# Altium PCB OBC Development Board.PcbDoc (part 1 of 3) (continued)
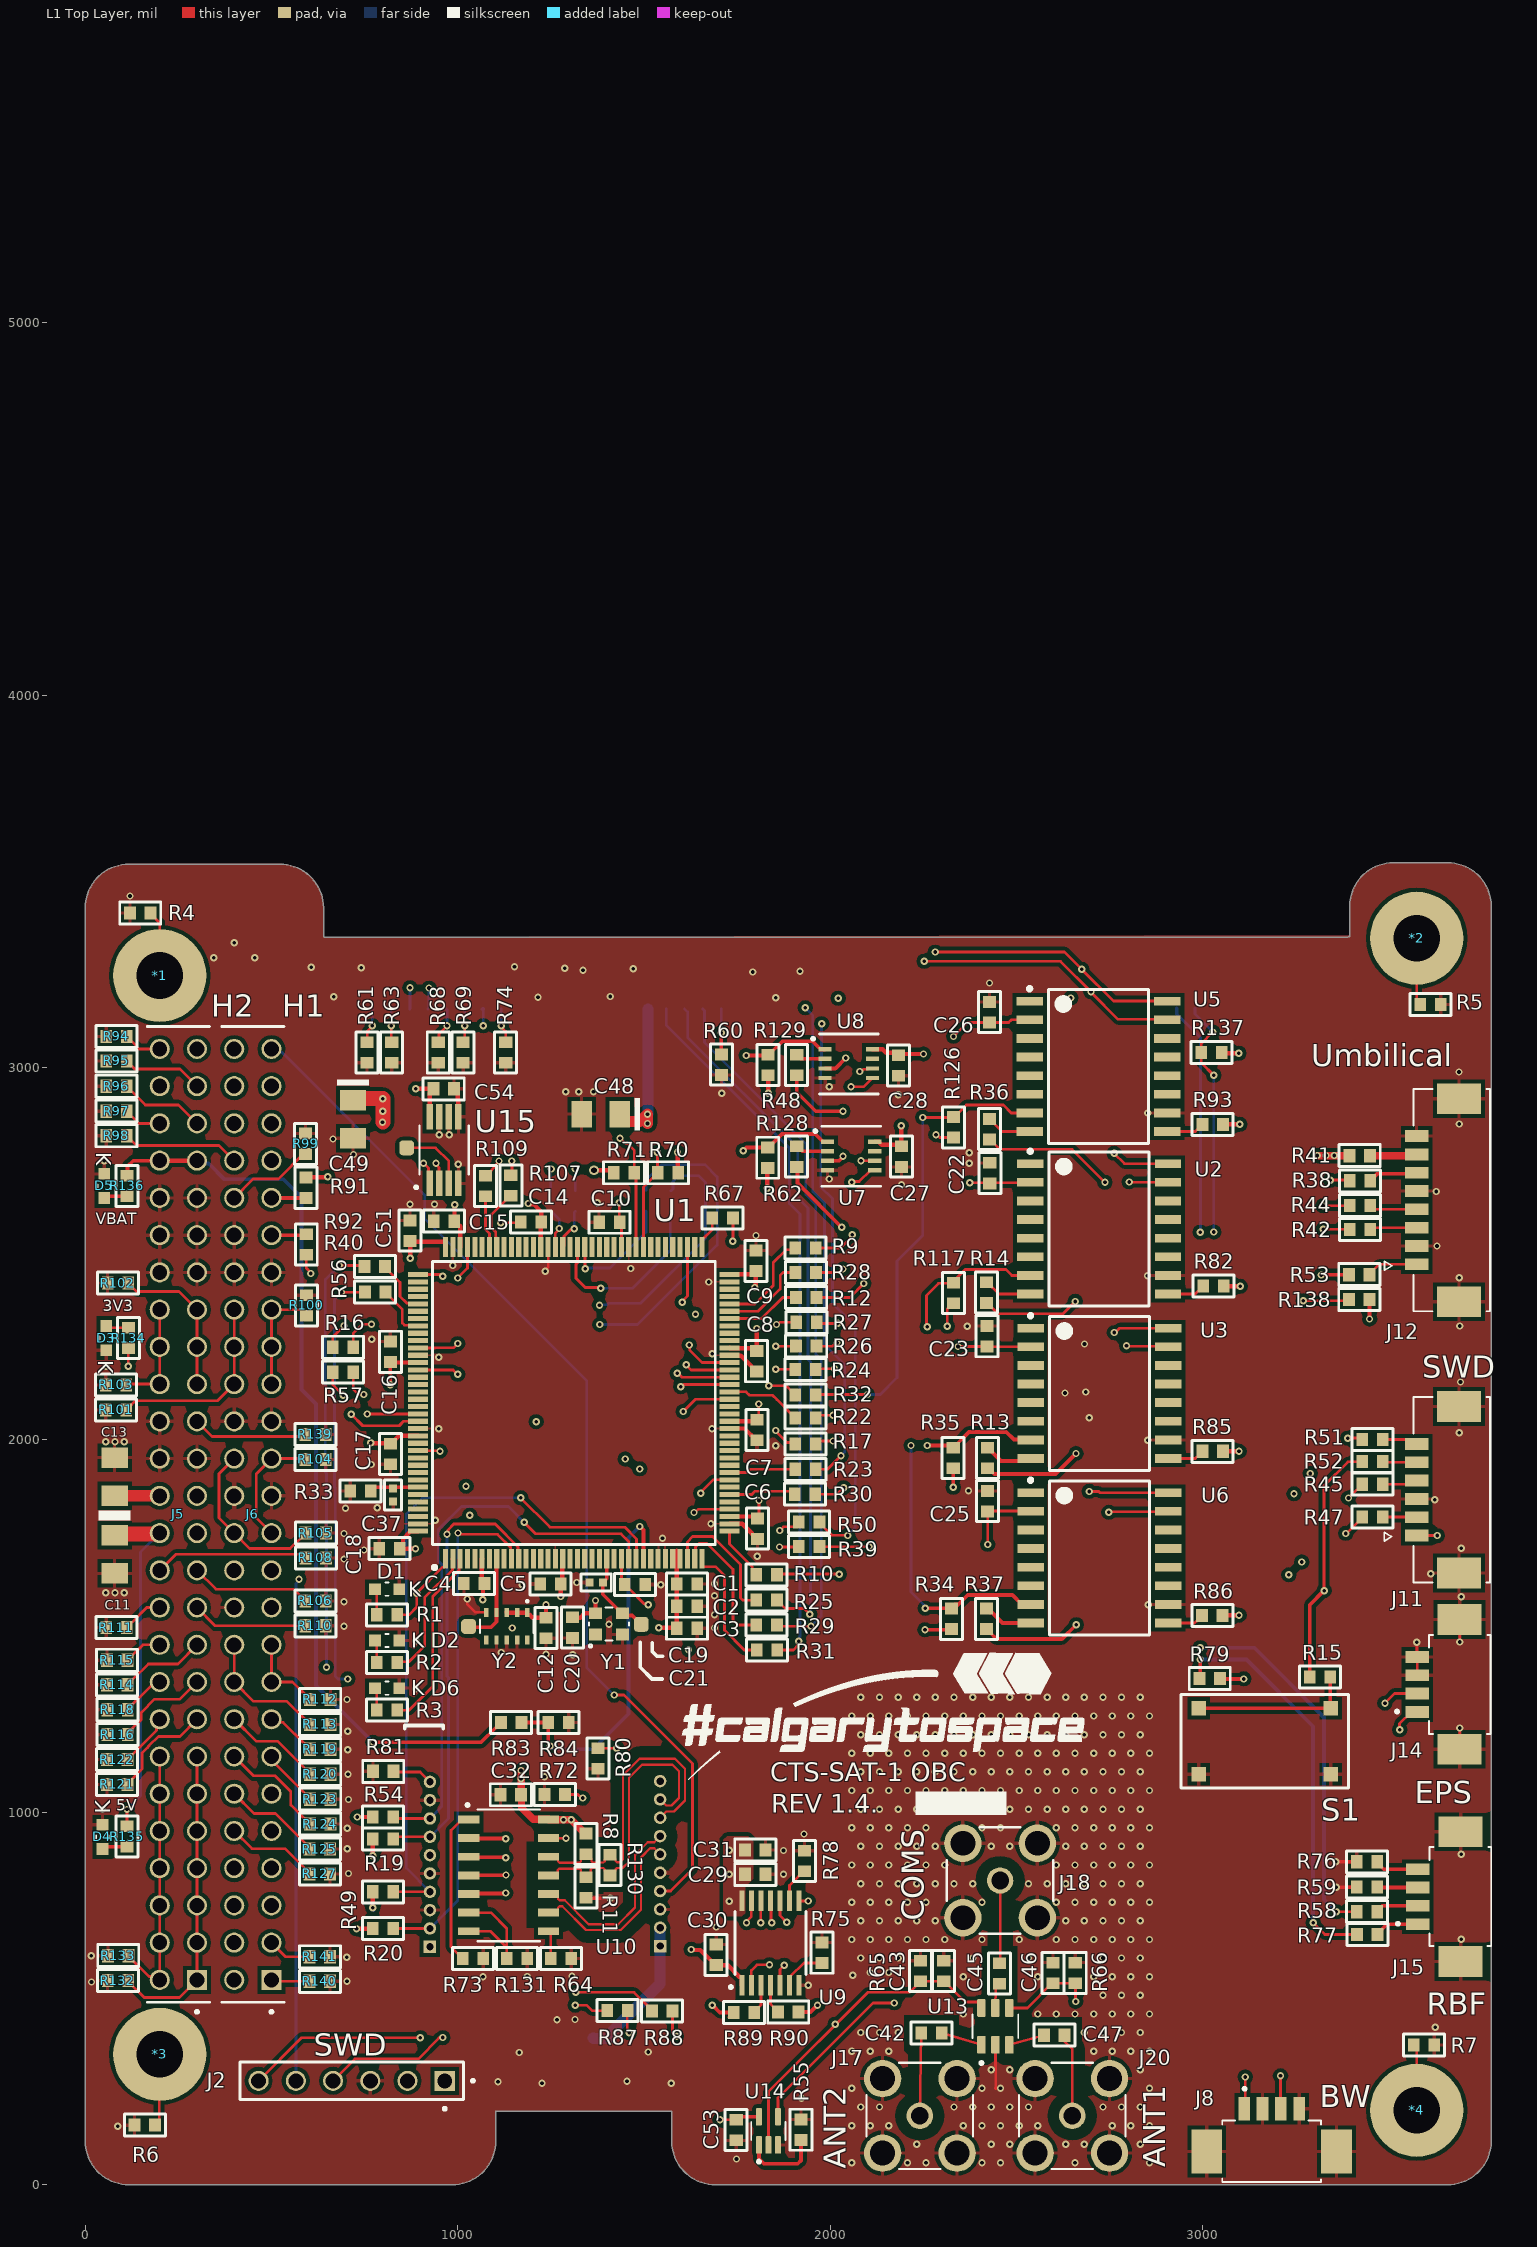
[diagram p0: L1 Top Layer view]
## Design rules (kind name [scope] priority, off if disabled: settings)
Clearance RF [InNetClass('50Ohms')] p1: gap=30 ignorepadtopadclearanceinfootprint=TRUE except(0: SMDPad-Hole THPad-Hole Via-Hole Fill-Hole Poly-Hole Region-Hole Text-Hole; 5: Arc-SMDPad Track-SMDPad SMDPad-SMDPad; 7: Arc-Text Track-Text; 7.87: SMDPad-Text THPad-Text Via-Text Fill-Text Poly-Text Region-Text Text-Text; 10: Arc-Arc Arc-Track Track-Track SMDPad-THPad SMDPad-Via THPad-THPad THPad-Via Via-Via)
Clearance "DIF 100 OHMS" [InNetClass('DIF 100 OHMS')] p2: gap=30 ignorepadtopadclearanceinfootprint=TRUE except(0: SMDPad-Hole THPad-Hole Via-Hole Fill-Hole Poly-Hole Region-Hole Text-Hole; 5: Arc-Arc Arc-Track Arc-SMDPad Arc-THPad Arc-Via Arc-Hole Track-Track Track-SMDPad Track-THPad Track-Via Track-Hole SMDPad-SMDPad; 7: Arc-Text Track-Text; 7.87: SMDPad-Text THPad-Text Via-Text Fill-Text Poly-Text Region-Text Text-Text; 10: SMDPad-THPad SMDPad-Via THPad-THPad THPad-Via Via-Via)
Clearance [All] p3: gap=10 ignorepadtopadclearanceinfootprint=FALSE except(0: Arc-Hole Track-Hole SMDPad-Hole THPad-Hole Via-Hole Fill-Hole Poly-Hole Region-Hole Text-Hole; 5: Arc-Arc Arc-Track Arc-SMDPad Track-Track Track-SMDPad SMDPad-SMDPad; 7.87: Arc-Text Track-Text SMDPad-Text THPad-Text Via-Text Fill-Text Poly-Text Region-Text Text-Text)
ComponentClearance [All] p1: gap=0 collisioncheckmode=3 verticalgap=10 showdistances=FALSE
DiffPairsRouting [All] p1: maxlimit=10 minlimit=8 mostfreqgap=10 toplayer_minwidth=5.8 toplayer_maxwidth=6.06 toplayer_prefwidth=6.06 midlayer1_prefgap=8 midlayer1_minwidth=5.8 midlayer1_maxwidth=5.8 midlayer1_prefwidth=5.8 midlayer2_prefgap=8 midlayer2_minwidth=5.8 midlayer2_maxwidth=5.8 midlayer2_prefwidth=5.8 bottomlayer_minwidth=5.8 bottomlayer_maxwidth=6.06 bottomlayer_prefwidth=6.06 maxuncoupledlength=500
HoleSize [All] p1: absolutevalues=TRUE maxlimit=248.03 minlimit=0.98 maxpercent=80.000 minpercent=20.000
MinimumSolderMaskSliver [All] p1: minsoldermaskwidth=1.5
PlaneClearance [All] p1: clearance=20
PlaneConnect [All] p1: pad.planeconnectstyle=Relief pad.reliefexpansion=20 pad.reliefentries=4 pad.reliefconductorwidth=8 pad.reliefairgap=15 via.planeconnectstyle=Direct via.reliefexpansion=20 via.reliefentries=4 via.reliefconductorwidth=10 via.reliefairgap=10
PolygonConnect [All] p1: thpad.connectstyle=Relief thpad.reliefconductorwidth=10 thpad.reliefentries=4 thpad.polygonreliefangle="90 Angle" thpad.airgapwidth=10 smdpad.connectstyle=Relief smdpad.reliefconductorwidth=10 smdpad.reliefentries=4 smdpad.polygonreliefangle="90 Angle" smdpad.airgapwidth=10 via.connectstyle=Direct via.reliefconductorwidth=10 via.reliefentries=4 via.polygonreliefangle="90 Angle" via.airgapwidth=10
RoutingVias [All] p1: holewidth=9.84 width=19.68 viastyle="Through Hole" minholewidth=7.87 minwidth=15.75 maxholewidth=15.75 maxwidth=39.37
SilkToSilkClearance [All] p1 off: silktosilkclearance=0
SilkToSolderMaskClearance [IsPad] p1: minsilkscreentomaskgap=5.91 clearancetoexposedcopper=TRUE
SolderMaskExpansion SolderMaskExpansion_PAD [InPadClass('All Pads')] p1: expansion=2 istentingtop=FALSE
SolderMaskExpansion SolderMaskExpansion_VIA [IsVia] p2: expansion=4 istentingtop=TRUE
SolderMaskExpansion [All] p3: expansion=4 istentingtop=FALSE
Width "RF 50ohms" [InNetClass('50Ohms')] p1: maxlimit=10 minlimit=7 preferedwidth=10 toplayer_maxwidth=7 toplayer_prefwidth=7 midlayer1_minwidth=10 midlayer2_minwidth=10 bottomlayer_maxwidth=7 bottomlayer_prefwidth=7 minimp=50.000000 maximp=50.000000 favimp=50.000000
Width [All] p2: maxlimit=50 minlimit=4 preferedwidth=10 minimp=50.000000 maximp=50.000000 favimp=50.000000
22 further rules are at their usual default settings.

## Classes and differential pairs
net class "DIF 100 OHMS": MISO_MPI_RX_N MISO_MPI_RX_P MOSI_MPI_TX_N MOSI_MPI_TX_P
net class 50Ohms: NetC42_1 NetC42_2 NetC45_1 NetC45_2 NetC47_1 NetC47_2
component class STM32: *1 *2 *3 *4 C1 C2 C3 C4 C5 C6 C7 C8 C9 C10 C12 C13 C14 C15 C16 C17 C18 C19 C20 C21 C37 C51 C54 D1 D2 D6 R1 R2 R3 R4 R5 R6 R7 R9 R10 R12 R15 R16 R17 R18 R19 R20 R21 R22 R23 R24 R25 R26 R27 R28 R29 R30 R31 R32 R33 R39 R40 R43 R46 R49 R50 R54 R56 R57 R67 R70 R71 R91 R92 R107 R109 R137 R138 S1 U1 U15 Y1 Y2
component class "Antenna and LoRa": C42 C43 C45 C46 C47 C53 J13 J17 J18 J20 R55 R65 R66 R81 U13 U14
component class Memory: 8 C22 C23 C25 C26 C27 C28 R13 R14 R34 R35 R36 R37 R48 R62 R82 R85 R86 R93 R117 R126 R128 R129 U2 U3 U5 U6 U7 U8
component class "External Connectors": C11 C29 C30 C31 C32 C48 C49 D3 D4 D5 J2 J3 J4 J5 J6 J7 J8 J9 J10 J11 J12 J14 J15 R8 R11 R38 R41 R42 R44 R45 R47 R51 R52 R53 R58 R59 R60 R61 R63 R64 R68 R69 R72 R73 R74 R75 R76 R77 R78 R79 R80 R83 R84 R87 R88 R89 R90 R94 R95 R96 R97 R98 R99 R100 R101 R102 R103 R104 R105 R106 R108 R110 R111 R112 R113 R114 R115 R116 R118 R119 R120 R121 R122 R123 R124 R125 R127 R130 R131 R132 R133 R134 R135 R136 R139 R140 R141 U9 U10
differential pair MOSI_MPI_TX: +MOSI_MPI_TX_P -MOSI_MPI_TX_N
differential pair MISO_MPI_RX: +MISO_MPI_RX_P -MISO_MPI_RX_N

## Components (designator, comment, footprint, x,y, rotation, side; value= is the part's Value field where it differs from the comment)
*1 "PC104 Mounting" "PC104 MOUNTING POINTS"#1 270,3200 r0 top
*2 "PC104 Mounting" "PC104 MOUNTING POINTS"#2 3575.59,3347.24 r0 top
*3 "PC104 Mounting" "PC104 MOUNTING POINTS"#3 267,290 r0 top
*4 "PC104 Mounting" "PC104 MOUNTING POINTS"#4 3500,260 r0 top
C1 "0.1uF" 0603 1616,1613 r180 top
C2 "1uF" 0603 1615.69,1553.4 r180 top
C3 "0.1uF" 0603 1615.69,1494.35 r180 top
C4 "0.1uF" 0603 1044.29,1614.17 r0 top
C5 "0.1uF" 0603 1249.02,1613.19 r0 top
C6 "0.1uF" 0603 1805.12,1761.81 r90 top
C7 "0.1uF" 0603 1804.13,2026.57 r90 top
C8 "0.1uF" 0603 1803,2211.44 r90 top
C9 "0.1uF" 0603 1801,2481 r270 top
C10 "0.1uF" 0603 1407.48,2584.65 r0 top
C11 "4.7uF" "CAP TANT 1206 (A) TCJ" 78.74,1692.91 r270 top
C12 "0.1uF" 0603 1237.2,1495.08 r90 top
C13 "4.7uF" "CAP TANT 1206 (A) TCJ" 78.74,1901.57 r90 top
C14 "0.1uF" 0603 1196.85,2585.63 r0 top
C15 "0.1uF" 0603 963.58,2587.6 r0 top
C16 "0.1uF" 0603 819.3,2236.81 r270 top
C17 "0.1uF" 0603 819.88,1962.6 r90 top
C18 "0.1uF" 0603 817,1708 r0 top
C19 "0.1uF" 0603 1476.38,1612.2 r180 top
C20 "0.1uF" 0603 1308.07,1496.06 r90 top
C21 "15 pF" 0402 1372.05,1617.13 r180 top
C22 "0.1uF" 0603 2429.13,2716.54 r90 top
C23 "0.1uF" 0603 2421.26,2278.54 r270 top
C25 "0.1uF" 0603 2423.23,1835.63 r270 top
C26 "0.1uF" 0603 2428.31,3148.84 r90 top
C27 "0.1uF" 0603 2191.93,2760.83 r270 top
C28 "0.1uF" 0603 2184.06,3005.91 r270 top
C29 "0.1uF" 0603 1799.21,833.66 r0 top
C30 "0.1uF" 0603 1694.3,617.35 r90 top
C31 "1uF" 0603 1799.21,898.62 r180 top
C32 "0.1uF" 0603 1142.72,1047.24 r180 top
C37 "0.1uF" 0402 826.77,1852.36 r270 top
C42 "100pF" 0603 2272.64,407.48 r0 top
C43 "33 pF" 0603 2305.12,573.82 r90 top
C45 "100pF" 0603 2454.72,566.93 r90 top
C46 "33 pF" 0603 2598.43,568.9 r270 top
C47 "100pF" 0603 2602.36,401.57 r180 top
C48 "4.7uF" "CAP TANT 1206 (A) TCJ" 1383.82,2875 r180 top
C49 "4.7uF" "CAP TANT 1206 (A) TCJ" 719.02,2861.54 r270 top
C51 "0.1uF" 0603 872.05,2562.01 r270 top
C53 "0.1uF" 0603 1748.03,146.65 r90 top
C54 "0.1uF" 0603 962.6,2942.91 r180 top
D1 "D-SML-D12U1WT86" D-SML-D12U1WT86 810.54,1599.34 r180 top
D2 "D-SML-D12U1WT86" D-SML-D12U1WT86 810.54,1461.54 r180 top
D3 "D-SML-D12U1WT86" D-SML-D12U1WT86 56.1,2273.62 r90 top
D4 "D-SML-D12U1WT86" D-SML-D12U1WT86 46.26,934.05 r270 top
D5 "D-SML-D12U1WT86" D-SML-D12U1WT86 51.18,2682.09 r270 top
D6 "D-SML-D12U1WT86" D-SML-D12U1WT86 810.54,1333.59 r180 top
J2 "J-TSW-106-05-T-S" J-TSW-106-05-T-S 965.35,279.06 r180 top locked
J3 "J-0532610871" J-532610871 944.88,3251.97 r0 bottom locked
J4 "J-0532610471" J-53261-0471 1339.57,393.7 r180 bottom
J5 "J-ESQ-126-14-G-D" J-ESQ-126-14-G-D 300,550 r270 top locked
J6 "J-ESQ-126-14-G-D" J-ESQ-126-14-G-D 500,550 r270 top locked
J7 "J-0532610671" J-0532610671 1633.86,3251.97 r0 bottom locked
J8 "J-0532610471" J-53261-0471 3186.02,203.74 r0 top
J9 "J-0532610471" J-53261-0471 3004.92,3159.45 r0 bottom
J10 "J-0530471010" J-0530471010 1543.71,640.98 r270 bottom
J11 "J-0532610671" J-0532610671 3669.65,1866.34 r90 top
J12 "J-0532610871" J-532610871 3669.65,2643.86 r90 top
J13 "J-0530471010" J-0530471010 925.6,639.01 r270 bottom
J14 "J-0532610471" J-53261-0471 3576.77,1343.5 r90 top
J15 "J-0532610471" J-53261-0471 3578.74,773.62 r90 top
J17 "252105" J-252105 2241.14,185.04 r0 top
J18 "252105" J-252105 2456.69,816.93 r0 top
J20 "252105" J-252105 2650.59,185.04 r0 top
R1 "4K7" 0603 810.54,1530.44 r0 top
R2 "4K7" 0603 810.54,1402.49 r0 top
R3 "4K7" 0603 810.54,1274.54 r180 top
R4 "0R DNP" 0603 147.64,3415.35 r0 top value=0R
R5 "0R DNP" 0603 3612.2,3169.29 r180 top value=0R
R6 "0R DNP" 0603 160,160 r0 top value=0R
R7 "0R DNP" 0603 3595,375 r180 top value=0R
R8 "1K" 0603 1344.49,915.35 r90 top
R9 "22R" 0603 1934.06,2515.75 r180 top
R10 "22R" 0603 1829.72,1637.8 r0 top
R11 "1K" 0603 1344.49,798.23 r90 top
R12 "22R" 0603 1936.02,2382.87 r180 top
R13 "22R" 0603 2423.23,1951.77 r90 top
R14 "22R" 0603 2420.28,2395.67 r90 top
R15 "1K" 0603 3315.94,1363.19 r180 top
R16 "22R" 0603 691.93,2249.02 r180 top
R17 "22R" 0603 1934.06,1989.17 r0 top
R18 "22R" 0603 1250,2640.75 r270 bottom
R19 "4K7" 0603 799.61,928.38 r0 top
R20 "4K7" 0603 799.61,688.22 r0 top
R21 "22R" 0603 1315.94,2641.73 r270 bottom
R22 "22R" 0603 1934.06,2059.06 r0 top
R23 "0R" 0603 1934.06,1921.26 r0 top
R24 "22R" 0603 1934.06,2188.98 r0 top
R25 "22R" 0603 1829.72,1569.88 r180 top
R26 "22R" 0603 1936.02,2251.97 r0 top
R27 "22R" 0603 1937.01,2315.95 r0 top
R28 "0R" 0603 1935.04,2449.8 r0 top
R29 "22R" 0603 1829.72,1502.95 r180 top
R30 "0R" 0603 1933.07,1854.33 r0 top
R31 "0R" 0603 1830.71,1436.02 r180 top
R32 "22R" 0603 1934.06,2121.06 r0 top
R33 "1K" 0603 739.17,1863.19 r0 top
R34 "10K" 0603 2325.79,1519.69 r90 top
R35 "10K" 0603 2330.71,1951.77 r90 top
R36 "22R" 0603 2428.15,2834.65 r90 top
R37 "22R" 0603 2420.28,1519.69 r90 top
R38 "0R" 0603 3423.23,2695.87 r180 top
R39 "22R" 0603 1943.9,1713.58 r180 top
R40 "22R" 0603 777.56,2465.55 r180 top
R41 "0R" 0603 3422.4,2763.39 r180 top
R42 "0R" 0603 3423.23,2564.96 r0 top
R43 "0R" 0603 1572.83,2641.73 r90 bottom
R44 "0R" 0603 3423.23,2629.92 r0 top
R45 "0R" 0603 3456.89,1881.34 r0 top
R46 "0R" 0603 1505.91,2642.72 r90 bottom
R47 "0R" 0603 3456.89,1793.31 r0 top
R48 "22R" 0603 1910.43,3006.89 r90 top
R49 "4K7" 0603 799.61,786.65 r0 top
R50 "22R" 0603 1943.9,1779.53 r180 top
R51 "0R" 0603 3456.89,2001.34 r0 top
R52 "4K7" 0603 3456.69,1941.93 r0 top
R53 "0R" 0603 3421.26,2443.9 r0 top
R54 "4K7" 0603 799.61,987.43 r0 top
R55 "100K" 0603 1922.24,147.64 r270 top
R56 "22R" 0603 778.54,2397.64 r180 top
R57 "22R" 0603 691.93,2182.09 r180 top
R58 "0R" 0603 3441.93,733.27 r0 top
R59 "0R" 0603 3441.93,799.21 r0 top
R60 "100K" 0603 1708.66,3007.87 r90 top
R61 "100K" 0603 756.89,3040.35 r90 top
R62 "22R" 0603 1910.43,2760.83 r90 top
R63 "100K" 0603 822.83,3040.35 r90 top
R64 "100K" 0603 1277.56,607.28 r180 top
R65 "10K" 0603 2243.11,573.82 r90 top
R66 "10K" 0603 2658.46,568.9 r270 top
R67 "0R" 0603 1711.61,2596.46 r180 top
R68 "100K" 0603 947.83,3040.35 r90 top
R69 "100K" 0603 1014.76,3040.35 r90 top
R70 "4K7" 0603 1564.96,2717.52 r180 top
R71 "4K7" 0603 1446.85,2717.52 r0 top
R72 "100K" 0603 1260.83,1048.23 r0 top
R73 "100K" 0603 1041.34,607.28 r180 top
R74 "100K" 0603 1128.94,3040.35 r90 top
R75 "100K" 0603 1978.35,623.03 r270 top
R76 "0R" 0603 3441.93,867.13 r0 top
R77 "22R" 0603 3442.91,672.24 r0 top
R78 "100K" 0603 1931.1,869.09 r270 top
R79 "4K7" 0603 3019.69,1359.25 r0 top
R80 "100K" 0603 1376.97,1144.69 r90 top
R81 "100K" 0603 800.2,1110.24 r0 top
R82 "10K" 0603 3029.53,2413.39 r180 top
R83 "10K" 0603 1143.7,1241.14 r180 top
R84 "1K" 0603 1270.67,1241.14 r180 top
R85 "10K" 0603 3027.56,1969.49 r180 top
R86 "10K" 0603 3026.57,1528.54 r180 top
R87 "0R" 0603 1429.13,467.52 r0 top
R88 "22R" 0603 1549.21,466.54 r180 top
R89 "0R" 0603 1768.7,462.6 r0 top
R90 "22R" 0603 1887.8,463.58 r180 top
R91 "4K7" 0603 592.52,2677.17 r90 top
R92 "4K7" 0603 593.5,2524.61 r90 top
R93 "10K" 0603 3027.56,2847.44 r180 top
R94 "100K" 0603 83.66,3083.66 r180 top
R95 "100K" 0603 83.66,3017.72 r0 top
R96 "100K" 0603 83.66,2949.8 r0 top
R97 "100K" 0603 83.66,2882.87 r180 top
R98 "100K" 0603 83.66,2816.93 r180 top
R99 "100K" 0603 591.54,2795.28 r90 top
R100 "100K" 0603 594.49,2361.22 r270 top
R101 "100K" 0603 82.68,2080.71 r180 top
R102 "100K" 0603 87.6,2421.26 r0 top
R103 "100K" 0603 82.68,2147.64 r180 top
R104 "100K" 0603 618.11,1947.83 r180 top
R105 "100K" 0603 619.09,1750 r0 top
R106 "100K" 0603 618.11,1567.91 r180 top
R107 "0R" 0603 1142.72,2683.07 r270 top
R108 "100K" 0603 619.09,1683.07 r0 top
R109 "0R" 0603 1074.8,2682.09 r270 top
R110 "100K" 0603 618.11,1500.98 r180 top
R111 "100K" 0603 83.66,1496.06 r180 top
R112 "100K" 0603 630.91,1303.15 r180 top
R113 "100K" 0603 630.91,1236.22 r0 top
R114 "100K" 0603 85.63,1342.52 r0 top
R115 "100K" 0603 85.63,1408.46 r180 top
R116 "100K" 0603 86.61,1208.66 r0 top
R117 "10K" 0603 2331.69,2394.69 r90 top
R118 "100K" 0603 86.61,1275.59 r180 top
R119 "100K" 0603 630.91,1169.29 r180 top
R120 "100K" 0603 630.91,1102.36 r0 top
R121 "100K" 0603 85.63,1074.8 r0 top
R122 "100K" 0603 85.63,1141.73 r180 top
R123 "100K" 0603 630.91,1035.43 r180 top
R124 "100K" 0603 630.91,968.5 r0 top
R125 "100K" 0603 629.92,901.57 r0 top
R126 "10K" 0603 2331.69,2839.57 r90 top
R127 "100K" 0603 629.92,834.65 r0 top
R128 "10K" 0603 1832.68,2757.87 r90 top
R129 "10K" 0603 1833.66,3006.89 r90 top
R130 "100R" 0603 1409.45,858.27 r90 top
R131 "100R" 0603 1159.45,607.28 r180 top
R132 "100K" 0603 87.6,548.23 r0 top
R133 "100K" 0603 88.58,615.16 r180 top
R134 "220R" 0603 116.45,2273.62 r270 top
R135 "220R" 0603 112.2,935.04 r90 top
R136 "10K" 0603 112.2,2682.09 r90 top
R137 "4K7" 0603 3024.61,3040.35 r0 top
R138 "4K7" 0603 3421.26,2376.97 r180 top
R139 "100K" 0603 618.11,2014.76 r180 top
R140 "100K" 0603 629.92,546.26 r180 top
R141 "100K" 0603 629.92,612.2 r180 top
S1 "S-KH-6X6X4.3H-STM" S-KH-6X6X4.3H-STM 3167.32,1190.94 r0 top
U1 "U-STM32L4R5ZIT6" U-STM32L4R5ZIT6 1311.86,2099.6 r90 top locked
U2 "MT29F1G01ABAFDSF-AAT:F TR" "U-MT29F1G01ABAFDSF-AAT:F TR" 2722.44,2566.93 r0 top
U3 "MT29F1G01ABAFDSF-AAT:F TR" "U-MT29F1G01ABAFDSF-AAT:F TR" 2723.57,2125.25 r0 top
U5 "MT29F1G01ABAFDSF-AAT:F TR" "U-MT29F1G01ABAFDSF-AAT:F TR" 2720.94,3003.32 r0 top
U6 "MT29F1G01ABAFDSF-AAT:F TR" "U-MT29F1G01ABAFDSF-AAT:F TR" 2723.57,1683.41 r0 top
U7 "CY15B108QN-40LPXI" U-CY15B108QN-40LPXI 2056.65,2762.4 r0 top
U8 "CY15B108QN-40LPXI" U-CY15B108QN-40LPXI 2050.47,3010.43 r0 top
U9 "U-MAX3378EEUD+T" U-MAX3378EEUD+T 1839.97,648.85 r0 top
U10 "MAX3086EESD+T" U-MAX3086EESD+T 1136.81,830.71 r0 top
U13 "U-HMC544AETR" U-HMC544AETR 2443.9,425.2 r90 top
U14 "SN74LVC1G14DCKR" U-SN74LVC1G14DCKR 1834.65,144.69 r90 top
U15 "STDS75DS2F" MSOP-8_STM-M 963.58,2778.54 r90 top
Y1 "ECS-TXO-2520-33-250-AN-TR" Y-ECS-TXO-2520-33-250-AN-TR 1406.5,1505.91 r0 top
Y2 "TG-3541CE 32.7680KXB3" "Y-TG-3541CE 32.7680KXB3" 1131.89,1500 r270 top

## Footprints (in the part's own frame and the unit in brackets; to place one, negate y for a bottom-side part, rotate by r counter-clockwise, add the part's x,y. Pads: shape width x height; smd on the part's side, far side on the other; paste and mask are expansions set on the pad)
0402 [mm] "Chip Resistor, 2-Leads, Body 1,00x0,50mm, IPC Medium Density"
  rect 0.55x0.55 smd: 1(-0.45,0) 2(0.45,0)
  silkscreen extent -1.03,-0.58 1.03,0.58, body extent -0.53,-0.27 0.53,0.28, height 0.4
0603 [mm]
  rect 0.8x0.9 smd: 1(-0.7,0) 2(0.7,0)
  silkscreen extent -1.4,-0.75 1.4,0.75, body extent -0.88,-0.48 0.87,0.47, height 1.3
"CAP TANT 1206 (A) TCJ" [mm] "Cap Tant 2-Leads, EIA 1206, Metric 3216, Body 3.2x1.6mm"
  rect 1.4x1.8 smd: 1(-1.3,0) 2(1.3,0)
  silkscreen extent -2.7,-1.1 -2.3,1.1, body extent -1.7,-0.84 1.7,0.84, height 1.72
D-SML-D12U1WT86 [mm]
  rect 0.8x0.8 smd: A(0.825,0) C(-0.825,0)
  silkscreen extent -0.11,-0.45 0.11,0.45, body extent -0.8,-0.4 0.8,0.4, height 0.55
J-53261-0471 [mm]
  rect 0.8x1.6 smd: 1(-1.875,0) 2(-0.625,0) 3(0.625,0) 4(1.875,0)
  rect 2.1x3 smd: S1(-4.425,-2.9) S2(4.425,-2.9)
  silkscreen extent -3.37,-5 3.37,1.47, body extent -5.07,-4.72 5.07,0.48, height 3.4
J-252105 [mm]
  round 2.55 / inner round 2.21 / far side round 2.21 hole 1.7: 0(-2.54,-2.54) 0(-2.54,2.54) 0(2.54,-2.54) 0(2.54,2.54)
  round 1.8 / inner round 2.007 / far side round 2.007 hole 1.2 mask+0: 1(0,0)
  silkscreen extent -3.63,-3.63 3.63,3.63, body extent -3,-3 3,3, height 5.42
J-0530471010 [mm]
  rect 0.85x0.85 hole 0.5 mask+0.076: 1(0,0)
  round 0.85 hole 0.5 mask+0.076: 2(-1.25,0) 3(-2.5,0) 4(-3.75,0) 5(-5,0) 6(-6.25,0) 7(-7.5,0) 8(-8.75,0) 9(-10,0) 10(-11.25,0)
  silkscreen extent -12.75,-2.05 2.3,1.15, body extent -12.71,-2.03 1.54,1.17, height 4.23
J-0532610671 [mm]
  rect 0.8x1.6 smd mask+0: 1(-3.125,2.4) 2(-1.875,2.4) 3(-0.625,2.4) 4(0.625,2.4) 5(1.875,2.4) 6(3.125,2.4)
  rect 2.1x3 smd mask+0: S1(-5.675,-0.5) S2(5.675,-0.5)
  silkscreen extent -6.32,-2.6 6.32,4.6, body extent -6.32,-2.5 6.32,2.7, height 3.38
J-532610871 [mm]
  rect 0.8x1.6 smd mask+0: 1(-4.375,2.4) 2(-3.125,2.4) 3(-1.875,2.4) 4(-0.625,2.4) 5(0.625,2.4) 6(1.875,2.4) 7(3.125,2.4) 8(4.375,2.4)
  rect 2.1x3 smd mask+0: S1(-6.925,-0.5) S2(6.925,-0.5)
  silkscreen extent -7.57,-2.6 7.57,4.58, body extent -7.57,-2.14 7.57,3.06, height 3.38
J-ESQ-126-14-G-D [mm]
  rect 1.37x1.37 hole 1.02: 1(0,0)
  round 1.37 hole 1.02: 2(0,-2.54) 3(-2.54,0) 4(-2.54,-2.54) 5(-5.08,0) 6(-5.08,-2.54) 7(-7.62,0) 8(-7.62,-2.54) 9(-10.16,0) 10(-10.16,-2.54) 11(-12.7,0) 12(-12.7,-2.54) 13(-15.24,0) 14(-15.24,-2.54) 15(-17.78,0) 16(-17.78,-2.54) 17(-20.32,0) 18(-20.32,-2.54) 19(-22.86,0) 20(-22.86,-2.54) 21(-25.4,0) 22(-25.4,-2.54) 23(-27.94,0) 24(-27.94,-2.54) 25(-30.48,0) 26(-30.48,-2.54) 27(-33.02,0) 28(-33.02,-2.54) 29(-35.56,0) 30(-35.56,-2.54) 31(-38.1,0) 32(-38.1,-2.54) 33(-40.64,0) 34(-40.64,-2.54) 35(-43.18,0) 36(-43.18,-2.54) 37(-45.72,0) 38(-45.72,-2.54) 39(-48.26,0) 40(-48.26,-2.54) 41(-50.8,0) 42(-50.8,-2.54) 43(-53.34,0) 44(-53.34,-2.54) 45(-55.88,0) 46(-55.88,-2.54) 47(-58.42,0) 48(-58.42,-2.54) 49(-60.96,0) 50(-60.96,-2.54) 51(-63.5,0) 52(-63.5,-2.54)
  silkscreen extent -65.03,-3.39 2.27,0.85, body extent -65.02,-3.81 1.52,1.27, height 11.1
J-TSW-106-05-T-S [mm]
  rect 1.37x1.37 hole 1.02: 01(0,0)
  round 1.37 hole 1.02: 02(2.54,0) 03(5.08,0) 04(7.62,0) 05(10.16,0) 06(12.7,0)
  silkscreen extent -2.02,-1.27 13.97,2, body extent -1.35,-1.27 14.02,1.27, height 5.21
MSOP-8_STM-M [mil]
  rect 68x18 smd paste+0 mask+0: 1(-89.5,38.39) 2(-89.5,12.8) 3(-89.5,-12.8) 4(-89.5,-38.39) 5(89.5,-38.39) 6(89.5,-12.8) 7(89.5,12.8) 8(89.5,38.39)
  silkscreen extent -104,-66 66,79, body extent -101,-61 101,61, height 43
"PC104 MOUNTING POINTS"#1 [mm]
  round 6.35 hole 3.18: 1(-1.778,1.2)
"PC104 MOUNTING POINTS"#2 [mm]
  round 6.35 hole 3.18: 1(0,0)
"PC104 MOUNTING POINTS"#3 [mm]
  round 6.35 hole 3.18: 1(-1.702,1.524)
"PC104 MOUNTING POINTS"#4 [mm]
  round 6.35 hole 3.18: 1(1.92,-1.524)
S-KH-6X6X4.3H-STM [mm]
  rect 1x1 smd: 1(-4.5,2.25) 2(4.5,2.25) 3(-4.5,-2.25) 4(4.5,-2.25)
  silkscreen extent -5.71,-3.17 5.71,3.17
U-CY15B108QN-40LPXI [mm]
  rect 0.9x0.3 smd: 1(-1.615,0.975) 2(-1.615,0.325) 3(-1.615,-0.325) 4(-1.615,-0.975) 5(1.615,-0.975) 6(1.615,-0.325) 7(1.615,0.325) 8(1.615,0.975)
  silkscreen extent -2.54,-2.06 2.01,2.03, body extent -1.62,-1.64 1.62,1.64, height 0.55
U-HMC544AETR [mm]
  rrect25% 1.21x0.58 smd: 1(-1.255,0.95) 2(-1.255,0) 3(-1.255,-0.95) 4(1.255,-0.95) 5(1.255,0) 6(1.255,0.95)
  silkscreen extent -2.6,-1.56 0.8,1.56, body extent -1.4,-1.45 1.4,1.45, height 1.45
U-MAX3086EESD+T [mil]
  rect 57.5x21 smd paste+0 mask+0: 1(-107.25,150) 2(-107.25,100) 3(-107.25,50) 4(-107.25,0) 5(-107.25,-50) 6(-107.25,-100) 7(-107.25,-150) 8(107.25,-150) 9(107.25,-100) 10(107.25,-50) 11(107.25,0) 12(107.25,50) 13(107.25,100) 14(107.25,150)
  silkscreen extent -114,-177 84,193, body extent -122,-172 122,172, height 69
U-MAX3378EEUD+T [mm]
  rect 0.35x1.4 smd: 1(-1.95,-2.875) 2(-1.3,-2.875) 3(-0.65,-2.875) 4(0,-2.875) 5(0.65,-2.875) 6(1.3,-2.875) 7(1.95,-2.875) 8(1.95,2.875) 9(1.3,2.875) 10(0.65,2.875) 11(0,2.875) 12(-0.65,2.875) 13(-1.3,2.875) 14(-1.95,2.875)
  silkscreen extent -2.8,-3.1 2.41,2.16, body extent -2.5,-3.17 2.5,3.23, height 1.1
"U-MT29F1G01ABAFDSF-AAT:F TR" [mm]
  rect 1.8x0.6 smd: 1(-4.7,4.445) 2(-4.7,3.175) 3(-4.7,1.905) 4(-4.7,0.635) 5(-4.7,-0.635) 6(-4.7,-1.905) 7(-4.7,-3.175) 8(-4.7,-4.445) 9(4.7,-4.445) 10(4.7,-3.175) 11(4.7,-1.905) 12(4.7,-0.635) 13(4.7,0.635) 14(4.7,1.905) 15(4.7,3.175) 16(4.7,4.445)
  silkscreen extent -4.82,-5.25 3.4,5.42, body extent -5.15,-5.25 5.15,5.25, height 2.65
U-SN74LVC1G14DCKR [mm]
  rrect25% 1.19x0.4 smd: 1(-0.96,0.65) 2(-0.96,0) 3(-0.96,-0.65) 4(0.96,-0.65) 5(0.96,0.65)
  silkscreen extent -2.2,-1.17 0.63,1.17, body extent -1.05,-1 1.05,1, height 1.1
U-STM32L4R5ZIT6 [mm]
  rect 1.35x0.35 smd mask+0.051: 1(-10.625,8.75) 2(-10.625,8.25) 3(-10.625,7.75) 4(-10.625,7.25) 5(-10.625,6.75) 6(-10.625,6.25) 7(-10.625,5.75) 8(-10.625,5.25) 9(-10.625,4.75) 10(-10.625,4.25) 11(-10.625,3.75) 12(-10.625,3.25) 13(-10.625,2.75) 14(-10.625,2.25) 15(-10.625,1.75) 17(-10.625,0.75) 18(-10.625,0.25) 19(-10.625,-0.25) 20(-10.625,-0.75) 21(-10.625,-1.25) 22(-10.625,-1.75) 23(-10.625,-2.25) 24(-10.625,-2.75) 25(-10.625,-3.25) 26(-10.625,-3.75) 27(-10.625,-4.25) 28(-10.625,-4.75) 29(-10.625,-5.25) 30(-10.625,-5.75) 31(-10.625,-6.25) 32(-10.625,-6.75) 33(-10.625,-7.25) 34(-10.625,-7.75) 35(-10.625,-8.25) 36(-10.625,-8.75) 73(10.625,-8.75) 74(10.625,-8.25) 75(10.625,-7.75) 76(10.625,-7.25) 77(10.625,-6.75) 78(10.625,-6.25) 79(10.625,-5.75) 80(10.625,-5.25) 81(10.625,-4.75) 82(10.625,-4.25) 83(10.625,-3.75) 84(10.625,-3.25) 85(10.625,-2.75) 86(10.625,-2.25) 87(10.625,-1.75) 88(10.625,-1.25) 89(10.625,-0.75) 90(10.625,-0.25) 91(10.625,0.25) 92(10.625,0.75) 93(10.625,1.25) 94(10.625,1.75) 95(10.625,2.25) 96(10.625,2.75) 97(10.625,3.25) 98(10.625,3.75) 99(10.625,4.25) 100(10.625,4.75) 101(10.625,5.25) 102(10.625,5.75) 103(10.625,6.25) 104(10.625,6.75) 105(10.625,7.25) 106(10.625,7.75) 107(10.625,8.25) 108(10.625,8.75)
  rect 1.35x0.35 smd paste+0 mask+0.051: 16(-10.625,1.25)
  rect 0.35x1.35 smd mask+0.051: 37(-8.75,-10.625) 38(-8.25,-10.625) 39(-7.75,-10.625) 40(-7.25,-10.625) 41(-6.75,-10.625) 42(-6.25,-10.625) 43(-5.75,-10.625) 44(-5.25,-10.625) 45(-4.75,-10.625) 46(-4.25,-10.625) 47(-3.75,-10.625) 48(-3.25,-10.625) 49(-2.75,-10.625) 50(-2.25,-10.625) 51(-1.75,-10.625) 52(-1.25,-10.625) 53(-0.75,-10.625) 54(-0.25,-10.625) 55(0.25,-10.625) 56(0.75,-10.625) 57(1.25,-10.625) 58(1.75,-10.625) 59(2.25,-10.625) 60(2.75,-10.625) 61(3.25,-10.625) 62(3.75,-10.625) 63(4.25,-10.625) 64(4.75,-10.625) 65(5.25,-10.625) 66(5.75,-10.625) 67(6.25,-10.625) 68(6.75,-10.625) 69(7.25,-10.625) 70(7.75,-10.625) 71(8.25,-10.625) 72(8.75,-10.625) 109(8.75,10.625) 110(8.25,10.625) 111(7.75,10.625) 112(7.25,10.625) 113(6.75,10.625) 114(6.25,10.625) 115(5.75,10.625) 116(5.25,10.625) 117(4.75,10.625) 118(4.25,10.625) 119(3.75,10.625) 120(3.25,10.625) 121(2.75,10.625) 122(2.25,10.625) 123(1.75,10.625) 124(1.25,10.625) 125(0.75,10.625) 126(0.25,10.625) 127(-0.25,10.625) 128(-0.75,10.625) 129(-1.25,10.625) 130(-1.75,10.625) 131(-2.25,10.625) 132(-2.75,10.625) 133(-3.25,10.625) 134(-3.75,10.625) 135(-4.25,10.625) 136(-4.75,10.625) 137(-5.25,10.625) 138(-5.75,10.625) 139(-6.25,10.625) 140(-6.75,10.625) 141(-7.25,10.625) 142(-7.75,10.625) 143(-8.25,10.625) 144(-8.75,10.625)
  silkscreen extent -11.35,-9.65 9.65,9.65, body extent -11,-11 11,11, height 1.6
Y-ECS-TXO-2520-33-250-AN-TR [mm]
  rect 0.9x0.8 smd paste+0 mask+0: 1(-0.925,-0.725) 2(0.925,-0.725) 3(0.925,0.725) 4(-0.925,0.725)
  silkscreen extent -1.37,-1.6 1.37,1.13, body extent -1.24,-1 1.24,1, height 0.81
"Y-TG-3541CE 32.7680KXB3" [mil]
  rect 24x12 smd paste+0 mask+0: 1(-37.21,55.12) 2(-37.21,27.56) 3(-37.21,0) 4(-37.21,-27.56) 5(-37.21,-55.12) 6(37.21,-55.12) 7(37.21,-27.56) 8(37.21,0) 9(37.21,27.56) 10(37.21,55.12)
  silkscreen extent -70,-72 18,72, body extent -53,-67 53,67, height 39

## Part data
C1 C3 C4 C5 C6 C7 C8 C9 C10 C12 C14 C15 C16 C17 C18 C19 C20 C22 C23 C25 C26 C27 C28 C29 C30 C32 C51 C53 C54: library part CC-100nF-25V-X7R-0603, "25V 100nF X7R ±10% 0603 Multilayer Ceramic Capacitors MLCC - SMD/SMT ROHS", Highest Rated Operating Temperature=125, Lowest Rated Operating Temperature=-55, Manufacturer="Murata Electronics", Manufacturer Part #=GCJ188R71E104KA12D, Max Exposed Voltage=6, Rated Voltage=25, ComponentLink1description=Datasheet, ComponentLink1URL=https://ds.yuden.co.jp/TYCOMPAS/ut/detail?pn=TMK105BJ104KV-F%20%20&u=M, ComponentLink2description="Manufacturer Website", ComponentLink2URL=https://www.yuden.co.jp/or/, Distributor=LCSC, Distributor Part #=C354391, Part Description="25V 100nF X7R ±10% 0603 Multilayer Ceramic Capacitors MLCC - SMD/SMT ROHS"
C2 C31: library part CC-105-K-25V-X7R-0603, "CAP CER 1UF 25V X7R 0603", Manufacturer=Yageo, Manufacturer Part #=CC0603KRX7R8BB105, ComponentLink1description=Datasheet, ComponentLink1URL=https://www.yageo.com/upload/media/product/productsearch/datasheet/mlcc/UPY-GPHC_X7R_6.3V-to-50V_18.pdf, ComponentLink2description="Manufacture Website", ComponentLink2URL=https://www.yageo.com/en/Home, Distributor=Digikey, Distributor Part #=311-1802-1-ND, Part Description="CAP CER 1UF 25V X7R 0603", SignalCraft Part #=CC-105-K-25V-X7R-0603
C11 C13 C48 C49: library part CT-474-M-20V-OTH-1206, "4.7 µF Molded Tantalum Capacitors 20 V 1206 (3216 Metric) 4Ohm", Manufacturer="AVX Corporation", Manufacturer Part #=TAJA475K020RNJ, ComponentLink1description=Datasheet, ComponentLink2description="Manufacturer Website", Distributor=Digikey, Distributor Part #=478-1668-1-ND, Part Description="4.7 µF Molded Tantalum Capacitors 20 V 1206 (3216 Metric) 4Ohm"
C21: library part CC-159-J-50V-C0G-0402, "15 pF ±1% 50V Ceramic Capacitor C0G, NP0 0402 (1005 Metric)", Manufacturer=YAGEO, Manufacturer Part #=CC0402FRNPO9BN150, ComponentLink1description=Datasheet, ComponentLink2description="Manufacture Website", Distributor=Digikey, Distributor Part #=311-1642-1-ND, Part Description="15 pF ±1% 50V Ceramic Capacitor C0G, NP0 0402 (1005 Metric)"
C37: library part CC-104-K-25V-X7R-0402, "CAP CER 0.1UF 25V X7R 0402", Manufacturer=YAGEO, Manufacturer Part #=CC0402KPX7R8BB104, ComponentLink1description=Datasheet, ComponentLink1URL=https://ds.yuden.co.jp/TYCOMPAS/ut/detail?pn=TMK105BJ104KV-F%20%20&u=M, ComponentLink2description="Manufacturer Website", ComponentLink2URL=https://www.yuden.co.jp/or/, Distributor=Digikey, Distributor Part #=13-CC0402KPX7R8BB104CT-ND, Part Description="CAP CER 0.1UF 25V X7R 0402"
C42 C45 C47: library part CC-104-K-25V-X5R-0402, "CAP CER 100PF 50V X7R 0603", Manufacturer=YAGEO, Manufacturer Part #=CC0603KRX7R9BB101, ComponentLink1description=Datasheet, ComponentLink1URL=https://ds.yuden.co.jp/TYCOMPAS/ut/detail?pn=TMK105BJ104KV-F%20%20&u=M, ComponentLink2description="Manufacturer Website", ComponentLink2URL=https://www.yuden.co.jp/or/, Distributor=Digikey, Distributor Part #=311-3601-1-ND, Part Description="CAP CER 100PF 50V X7R 0603"
C43 C46: library part CC-339-K-50V-X7R-0603, "CAP CER 33PF 50V X7R 0603", Manufacturer=KEMET, Manufacturer Part #=C0603C330K5RAC7867, ComponentLink1description=Datasheet, ComponentLink1URL=https://ds.yuden.co.jp/TYCOMPAS/ut/detail?pn=TMK105BJ104KV-F%20%20&u=M, ComponentLink2description="Manufacturer Website", ComponentLink2URL=https://www.yuden.co.jp/or/, Distributor=Digikey, Distributor Part #=399-C0603C330K5RAC7867CT-ND, Part Description="CAP CER 33PF 50V X7R 0603"
D1 D2 D3 D4 D5 D6: "Red 620nm LED Indication - Discrete 2.2V 0603 _1608 Metric", Manufacturer="Rohm Semiconductor", Manufacturer Part #=SML-D12U1WT86, Distributor=Digikey, Distributor Part #=SML-D12U1WT86CT-ND
J2: "CONN HEADER VERT 6POS 2.54MM", Manufacturer=Samtec, Manufacturer Part #=TSW-106-05-T-S, Distrbutor=None, Distrbutor part #=SAM12323-ND, Price=None
J3 J12: "CONN HEADER SMD R/A 8POS 1.25MM", Distributor=Digi-Key, Distributor Part #=WM7626CT-ND, Manfacturer=Molex, Manfacturer Part #=0532610871
J4 J8 J9 J14 J15: "CONN HEADER SMD R/A 4POS 1.25MM", Distributor=Digi-Key, Distributor Part #=WM7622CT-ND, Manfacturer=Molex, Manfacturer Part #=0532610471
J5 J6: "CONN SOCKET 52POS 0.1 GOLD PCB", Manufacturer="Samtec Inc.", Manufacturer Part #=ESQ-126-14-G-D, Distributor=Digikey, Distributor Part #=SAM11114-ND
J7 J11: "CONN HEADER SMD R/A 6POS 1.25MM", Distributor=Digi-Key, Distributor Part #=WM7624CT-ND, Manfacturer=Molex, Manfacturer Part #=0532610671
J10 J13: "CONN HEADER VERT 10POS 1.25MM", Manufacturer=Molex, Manufacturer Part #=0530471010, Distributor=Digikey, Distributor Part #=WM1739-ND
J17 J18 J20: library part J-252105, "CONN MCX RCPT STR 50 OHM PCB", Manufacturer="Amphenol RF", Distributor=Digikey, Distributor Part #=ACX1262-ND, Manufacturer Part #=252105
R1 R2 R3 R19 R20 R49 R52 R54 R70 R71 R79 R91 R92 R137 R138: library part RT-4K7-F-1/16W-0603, "RES SMD 4.7K OHM 1% 1/10W 0603", Manufacturer="Bourns Inc.", Manufacturer Part #=CR0603-FX-4701ELF, ComponentLink1description=Datasheet, ComponentLink1URL=https://www.vishay.com/docs/20035/dcrcwe3.pdf, ComponentLink2description="Manufacturer Website", ComponentLink2URL=https://www.vishay.com/, Distributor=Digikey, Distributor Part #=CR0603-FX-4701ELFCT-ND, Part Description="RES SMD 4.7K OHM 1% 1/10W 0603"
R4 R5 R6 R7 R23 R28 R30 R31 R38 R41 R42 R43 R44 R45 R46 R47 R51 R53 R58 R59 R67 R76 R87 R89 R107 R109: library part RT-0R00-F-1/10W-0603, "0 Ohms Jumper 0.1W, 1/10W Chip Resistor 0603 (1608 Metric) Automotive AEC-Q200 Thick Film", Manufacturer="Stackpole Electronics Inc", Manufacturer Part #=RMCF0603ZT0R00, ComponentLink1description=Datasheet, ComponentLink1URL=https://industrial.panasonic.com/ww/products/resistors/chip-resistors/general-purpose-chip-resistors/models/ERJ2GE0R00X, ComponentLink2description="Manufacturer Website", ComponentLink2URL=https://industrial.panasonic.com/ww/products/resistors/chip-resistors/general-purpose-chip-resistors/models/ERJ2GE0R00X, Distributor=Digikey, Distributor Part #=RMCF0603ZT0R00CT-ND, Part Description="0 Ohms Jumper 0.1W, 1/10W Chip Resistor 0603 (1608 Metric) Automotive AEC-Q200 Thick Film"
R8 R11 R15 R33 R84: library part RT-1K0-F-1/16W-0603, "RES SMD 1K OHM 1% 1/16W 0603", Manufacturer="TE Connectivity Passive Product", Manufacturer Part #=CPF0603F1K0C1, ComponentLink1description=Datasheet, ComponentLink1URL=https://www.vishay.com/docs/20035/dcrcwe3.pdf, ComponentLink2description="Manufacturer Website", ComponentLink2URL=https://www.vishay.com/, Distributor=Digikey, Distributor Part #=A102226CT-ND, Part Description="RES SMD 1K OHM 1% 1/16W 0603"
R9 R10 R12 R13 R14 R16 R17 R18 R21 R22 R24 R25 R26 R27 R29 R32 R36 R37 R39 R40 R48 R50 R56 R57 R62 R77 R88 R90: library part RT-22R0-F-1/16W-0603, "22 Ohms ±0.5% 0.063W, 1/16W Chip Resistor 0603 (1608 Metric) - Thin Film", Manufacturer=Susumu, Manufacturer Part #=RR0816Q-220-D, ComponentLink1description=Datasheet, ComponentLink1URL=https://www.vishay.com/docs/20035/dcrcwe3.pdf, ComponentLink2description="Manufacturer Website", ComponentLink2URL=https://www.vishay.com/, Distributor=Digikey, Distributor Part #=RR08Q22DCT-ND, Part Description="22 Ohms ±0.5% 0.063W, 1/16W Chip Resistor 0603 (1608 Metric) - Thin Film"
R34 R35 R65 R66 R82 R85 R86 R93 R117 R126 R128 R129 R136: library part RT-10K0-F-1/16W-0603, "10 kOhms ±0.1% 0.063W, 1/16W Chip Resistor 0603 (1608 Metric) - Thin Film", Manufacturer="TE Connectivity Passive Product", Manufacturer Part #=CPF0603B10KE, ComponentLink1description=Datasheet, ComponentLink1URL=https://www.vishay.com/docs/20035/dcrcwe3.pdf, ComponentLink2description="Manufacturer Website", ComponentLink2URL=https://www.vishay.com/, Distributor=Digikey, Distributor Part #=A119886CT-ND, Part Description="10 kOhms ±0.1% 0.063W, 1/16W Chip Resistor 0603 (1608 Metric) - Thin Film"
R55 R60 R61 R63 R64 R68 R69 R72 R73 R74 R75 R78 R80 R81 R94 R95 R96 R97 R98 R99 R100 R101 R102 R103 R104 R105 R106 R108 R110 R111 R112 R113 R114 R115 R116 R118 R119 R120 R121 R122 R123 R124 R125 R127 R132 R133 R139 R140 R141: library part RT-100K0-F-1/16W-0603, "RES SMD 100KΩ 0.1% 1/16W 0603", Manufacturer="TE Connectivity", Manufacturer Part #=CPF0603B100KE, ComponentLink2description=Datasheet, ComponentLink2URL=https://www.te.com/commerce/DocumentDelivery/DDEController?Action=showdoc&DocId=Data+Sheet%7F1773200%7FM%7Fpdf%7FEnglish%7FENG_DS_1773200_M.pdf%7F3-1676481-2, Distributor=Digikey, Distributor Part #=A119912CT-ND, Part Description="RES SMD 100KΩ 0.1% 1/16W 0603"
R83: library part RT-10K0-F-1/16W-0603, "RES 10K OHM 1% 1/8W 0603", Manufacturer="Stackpole Electronics Inc", Manufacturer Part #=RNCP0603FTD10K0, ComponentLink1description=Datasheet, ComponentLink1URL=https://www.vishay.com/docs/20035/dcrcwe3.pdf, ComponentLink2description="Manufacturer Website", ComponentLink2URL=https://www.vishay.com/, Distributor=Digikey, Distributor Part #=RNCP0603FTD10K0CT-ND, Part Description="RES 10K OHM 1% 1/8W 0603"
R130 R131: library part RT-100R-F-1/16W-0603, "RES SMD 100 OHM 0.5% 1/16W 0603", Manufacturer=Susumu, Manufacturer Part #=RR08P100DCT-ND, Distributor=Digikey, Distributor Part #=RR08P100DCT-ND, Part Description="RES SMD 100 OHM 0.5% 1/16W 0603"
R134 R135: library part RT-220R-F-1/16W-0603, "220 Ohms ±0.5% 0.063W, 1/16W Chip Resistor 0603 (1608 Metric) - Thin Film", Manufacturer=Susumu, Manufacturer Part #=RR0816P-221-D, Distributor=Digikey, Distributor Part #=RR08P220DCT-ND, Part Description="220 Ohms ±0.5% 0.063W, 1/16W Chip Resistor 0603 (1608 Metric) - Thin Film"
S1: "NO 50mA Brick nogging SPST 80000次 12V SMD Tactile Switches ROHS", LCSC Part #=C2837530, Manufacturer="Shenzhen Kinghelm Elec", Manufacturer Part #=KH-6X6X4.3H-STM, Distributor=LCSC, Distributor Part #=C2837530
U1: "IC MCU 32BIT 2MB FLASH 144LQFP", LCSC Part #=C1339786, Manufacturer=STMicroelectronics, Manufacturer Part #=STM32L4R5ZIT6, Mouser Part Number=511-STM32L4R5ZIT6P, Distributor=Mouser
U2 U3 U5 U6: library part "U-MT29F1G01ABAFDSF-AAT:F TR", "IC FLASH 1GBIT SPI 16SO", Manufacturer="Micron Technology Inc.", ComponentLink1description="Part Link", ComponentLink1URL=https://www.digikey.ca/en/products/detail/micron-technology-inc/MT29F1G01ABAFDSF-AAT-F-TR/6135560, ComponentLink2description=Datasheet, ComponentLink2URL=https://www.farnell.com/datasheets/3151163.pdf, Distributer=Digikey, Distributer Part #=557-1653-1-ND, Manufacturer Part #="MT29F1G01ABAFDSF-AAT:F TR"
U7 U8: library part U-CY15B108QN-40LPXI, "IC FRAM 8MBIT SPI 40MHZ 8GQFN", Manufacturer="Cypress Semiconductor", Distributor=Digikey, Distributor Part #=428-4723-ND, Manufacturer Part #=CY15B108QN-40LPXI
U9: "IC TRNSLTR BIDIRECTIONAL 14TSSOP", LCSC Part #=C143441, Manufacturer="Maxim Integrated", Manufacturer Part #=MAX3378EEUD+T, Distributor=Digikey, Distributor Part #=MAX3378EEUD+TCT-ND
U10: library part U-MAX3086EESD+T, "IC TRANSCEIVER FULL 1/1 14SOIC", LCSC Part #=C2671104, Manufacturer="Maxim Integrated Products", Distributor=Digikey, Distributor Part #=MAX3086EESD+TCT-ND, Manufacturer Part #=MAX3086EESD+T, Type=DEV
U13: "0Hz~4GHz 23dB 0.7dB SOT-23-6 RF Switches ROHS", LCSC Part #=C579555, Manufacturer="Analog Devices", Manufacturer Part #=HMC544AETR, Distributor=LCSC, Distributor Part #=C579555
U14: library part U-SN74LVC1G14DCKR, "IC INVERT SCHMITT 1CH 1IN SC70", LCSC Part #=C35740, Manufacturer="Texas Instruments", Distributor=Digikey, Distributor Part #=296-11608-1-ND, Manufacturer Part #=SN74LVC1G14DCKR
U15: library part U-STDS75DS2F, "MSOP-8 Temperature Sensors ROHS", LCSC Part #=C283289, Manufacturer=STMicroelectronics, Distributor=LCSC, Distributor Part #=C283289, Manufacturer Part #=STDS75DS2F
Y1: library part Y-ECS-TXO-2520-33-250-AN-TR, "XTAL OSC TCXO 25.0000MHZ HCMOS", Manufacturer="ECS Inc.", Distributor=Digikey, Distributor Part #=XC2258CT-ND, Manufacturer Part #=ECS-TXO-2520-33-250-AN-TR
Y2: library part "Y-TG-3541CE 32.7680KXB3", "XTAL OSC TCXO 32.7680KHZ CMOS", Manufacturer=EPSON, Distributor=Digikey, Distributor Part #=SER4422CT-ND, Manufacturer Part #="TG-3541CE 32.7680KXB3"

## Free pads (board coordinates)
  rrect50% 40x40 smd: 3(863.19,2784.45) 3(1029.53,1499.02) 3(1493.11,1504.92)

## Via types
v1: diameter 19.68, hole 9.84, L1 Top Layer to L6 Bottom Layer, tented both sides, 666 vias
v2: diameter 26, hole 15, L1 Top Layer to L6 Bottom Layer, tented both sides, 1 vias